# KiCad board squishy-main.kicad_pcb
title: Squishy -  Main Board; date: 2023-06-01; rev: 2; company: Shrine Maiden Heavy Industries; note: License: CERN-OHL-S; note: © 2023 Aki 'lethalbit' Van Ness, et. al.; note: No warranty expressed or implied; note: Squishy - SCSI Multitool
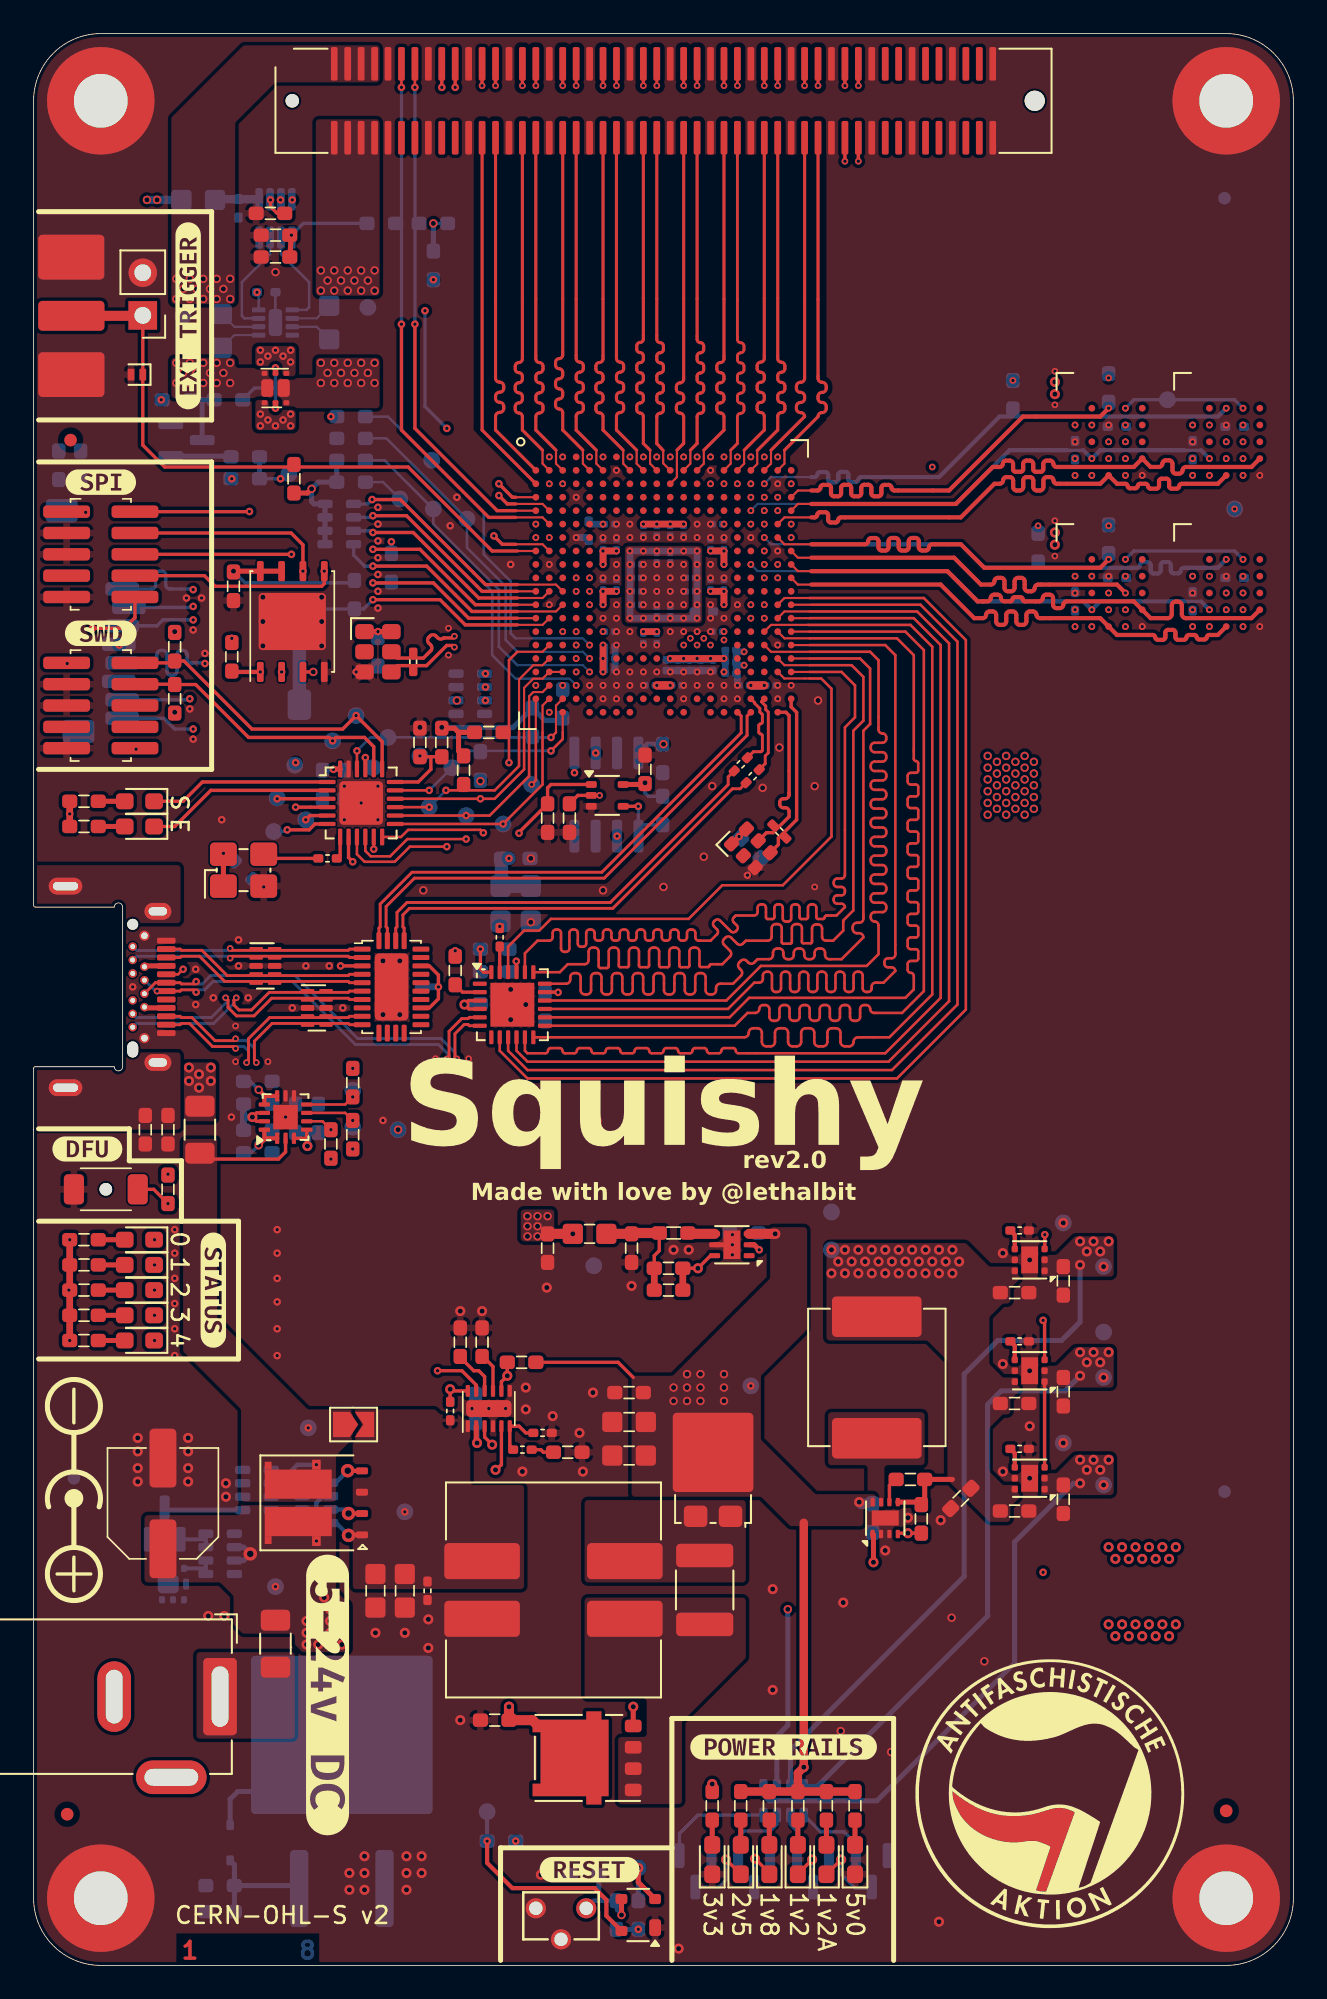
[diagram p0: board, top side]
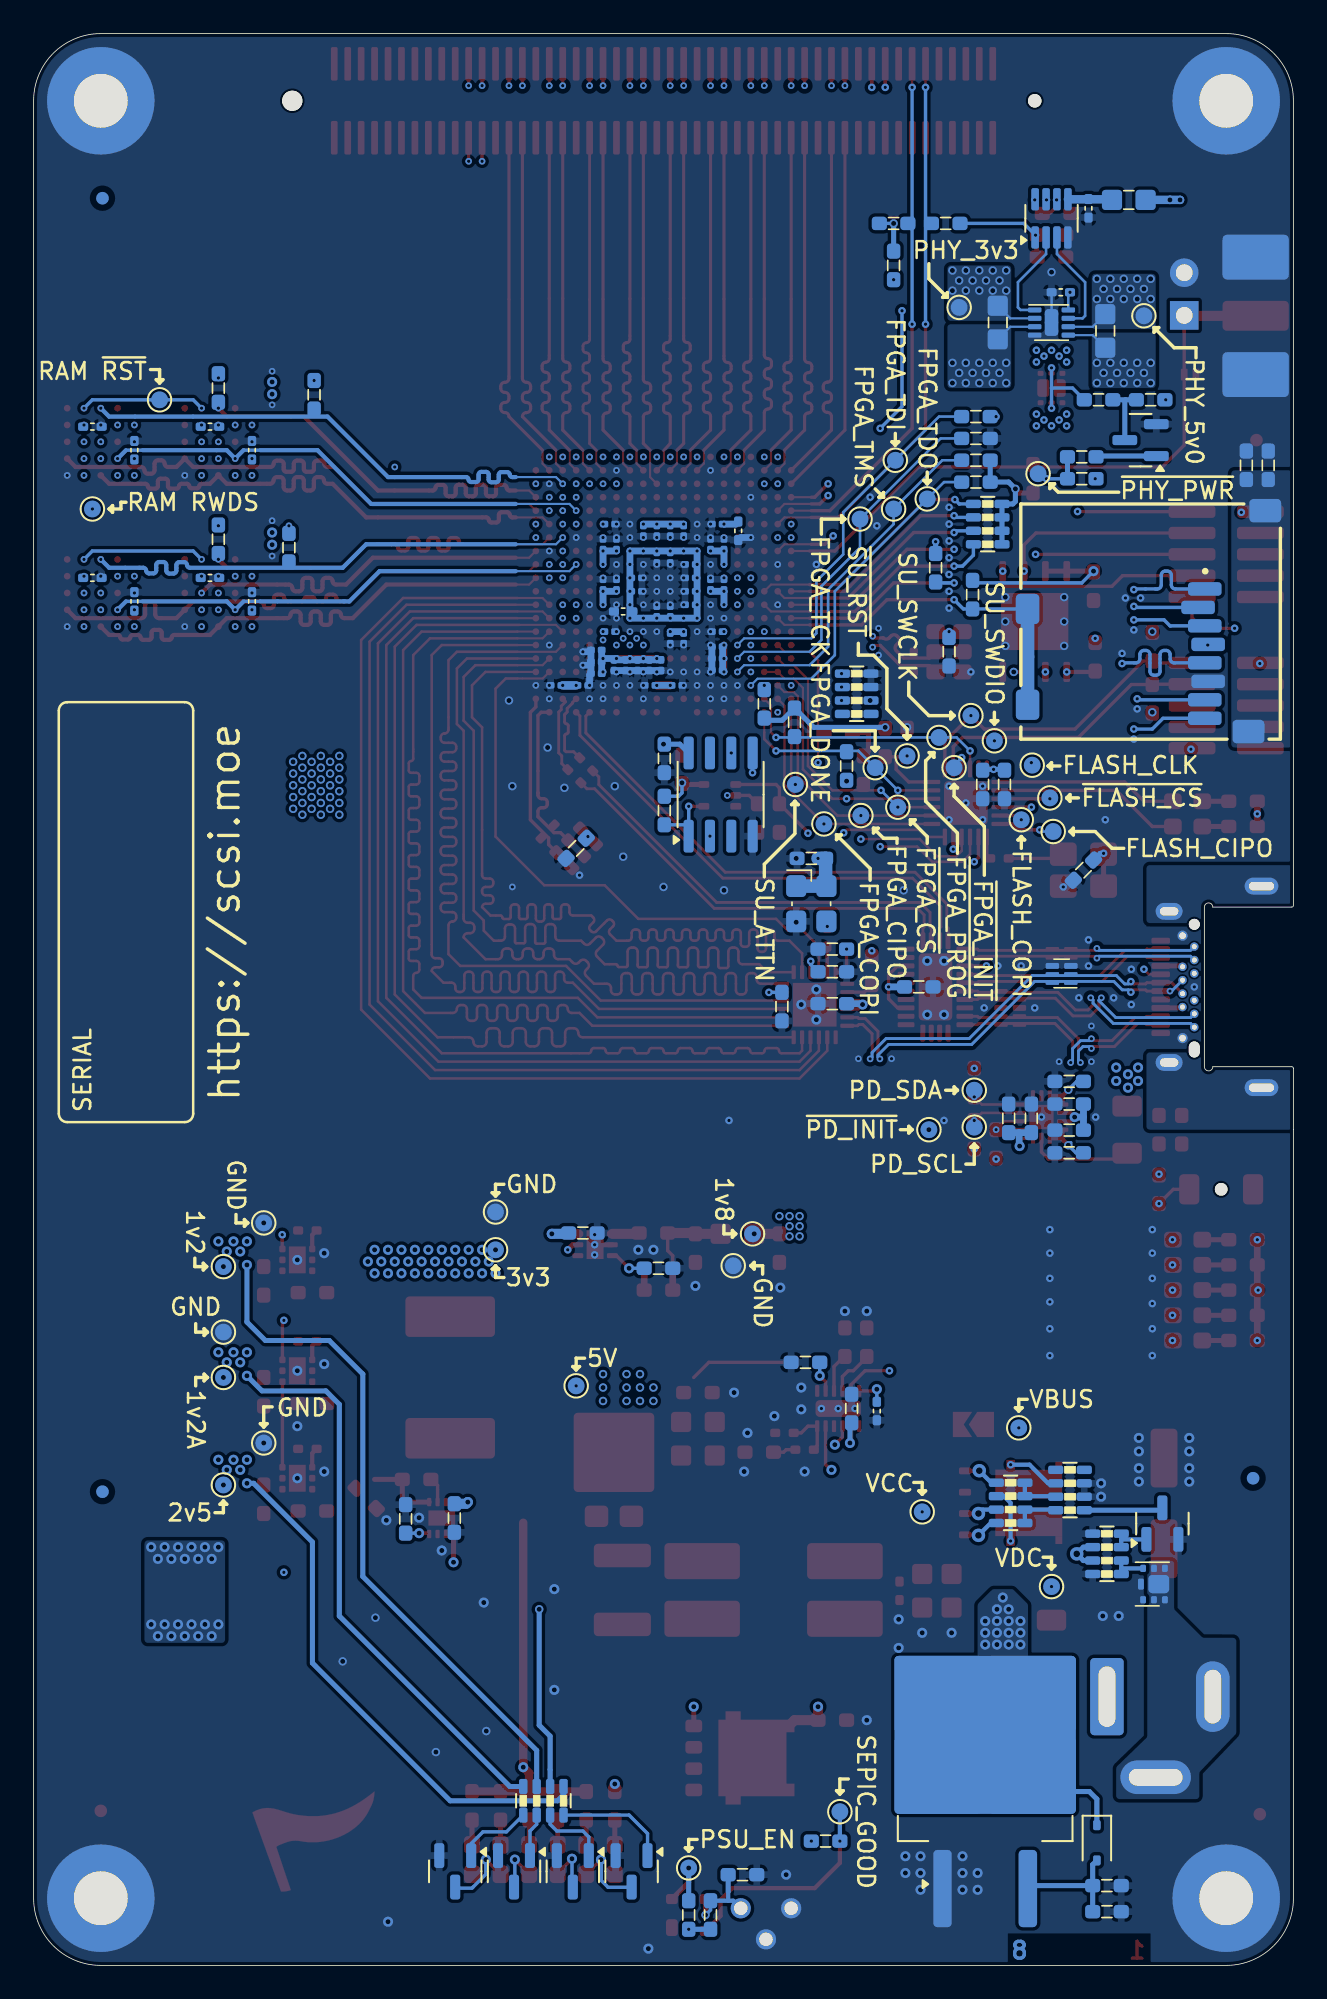
[diagram p1: board, bottom side, seen from below]

Outline 75 x 115 mm; copper layers: Top, In1.Cu (plane), In2.Cu, In3.Cu, In4.Cu (plane), In5.Cu, In6.Cu (plane), Bottom. Coordinates in mm from the lower left corner of the outline.
Outline path: 0.1,53.5 arc(0.03,53.47) 0,53.4 0,4 arc(1.17,1.17) 4,0 71,0 arc(73.83,1.17) 75,4 75,111 arc(73.83,113.83) 71,115 4,115 arc(1.17,113.83) 0,111 0,65.5 0,63.1 arc(0.03,63.03) 0.1,63
Stack: Top 0.035mm / dielectric 0.1164mm FR4 er 4.16 / In1.Cu 0.0152mm / dielectric 0.3mm FR4 er 4.6 / In2.Cu 0.0152mm / dielectric 0.0764mm FR4 er 3.91 / dielectric 0.0764mm FR4 er 3.91 / In3.Cu 0.0152mm / dielectric 0.3mm FR4 er 4.6 / In4.Cu 0.0152mm / dielectric 0.0764mm FR4 er 3.91 / dielectric 0.0764mm FR4 er 3.91 / In5.Cu 0.0152mm / dielectric 0.3mm FR4 er 4.6 / In6.Cu 0.0152mm / dielectric 0.1164mm FR4 er 4.16 / Bottom 0.035mm

## Placement (name value [footprint] x y rotation side)
C1  10n  [C0603]  20.5 78.2 270 bottom
C2  100n  [C0402]  64.5 91.6 180 bottom
C3  100n  [C0402]  71.5 91.6 180 bottom
C4  100n  [C0402]  62 90.2 90 bottom
C5  100n  [C0402]  69 90.2 90 bottom
C6  1u  [C0603]  32.8 5.4 180 bottom
C7  100n  [C0603]  37.45 71.85 270 bottom
C8  100n  [C0603]  6.65 49.75 90 top
C9  100n  [C0402]  42.1 71.5 45 top
C10  100n  [C0402]  42.81 70.79 45 top
C11  100n  [C0603]  22.3 58.25 180 bottom
C12  4u7  [C0603]  30.45 57.07 90 bottom
C13  100n  [C0603]  27.45 59.15 180 bottom
C14  100n  [C0603]  27.45 57.25 0 bottom
C15  10n  [C0603]  28.7 65.9 0 bottom
C16  10u  [C0603]  13.35 49.72 0 bottom
C17  1u  [C0603]  16.95 50.42 90 bottom
C18  10n  [C0603]  42.7 66.5 315 bottom
C19  100n  [C0603]  18.5 70.3 270 bottom
C20  1u  [C0603]  17.2 70.3 270 bottom
C21  1u  [C0603]  23 72.8 90 top
C22  10n  [C0603]  12.5 65.2 315 bottom
C23  100n  [C0603]  11.9 82.1 270 top
C24  2u2  [C0603]  26.3 33.15 90 bottom
C25  100n  [C0603]  26.7 37.1 270 top
C26  12n  [C0402]  29.1 30.7 180 top
C27  10u  [C0805]  22.1 22.3 90 top
C28  2u2  [C_1812_4532Metric]  39.95 22.35 90 top
C29  10u  [C0805]  35.45 30.35 0 top
C30  1u  [C0603]  35.45 34.1 0 top
C31  100n  [C0402]  23.45 22.3 90 top
C32  10u  [C0805]  35.45 32.35 0 top
C33  10u  [C0805]  20.35 22.3 90 top
C34  100n  [C0402]  64.5 82.6 180 bottom
C35  100n  [C0402]  71.5 82.6 180 bottom
C36  100n  [C0402]  62 81.2 90 bottom
C37  100n  [C0402]  69 81.2 90 bottom
C38  820p  [C0402]  30.3 31.7 180 top
C39  1u  [C0603]  58.4 40.05 0 top
C40  1u  [C0603]  58.4 33.45 0 top
C41  100n  [C0402]  58.7 37.15 0 top
C42  1u  [C0603]  61.3 34.15 270 top
C43  1u  [C0603]  58.4 27.05 0 top
C44  100n  [C0402]  58.7 30.75 0 top
C45  1u  [C0603]  61.3 27.75 270 top
C46  10u  [C0603]  49.95 26.63 270 bottom
C47  100n  [C0603]  36.4 71.2 90 top
C48  1u  [C0603]  30.6 42.7 270 top
C49  300p  [C0603]  13.35 48.37 0 bottom
C50  100n  [C_0201_0603Metric]  35.9 83.4 180 bottom
C51  10n  [C_0201_0603Metric]  35.9 82.6 180 bottom
C52  100n  [C_0201_0603Metric]  37.1 83.8 90 bottom
C53  100n  [C_0201_0603Metric]  39.1 82.6 0 bottom
C54  100n  [C_0201_0603Metric]  34.3 78.5 180 bottom
C55  10n  [C_0201_0603Metric]  34.3 77.1 180 bottom
C56  1n  [C_0201_0603Metric]  34.3 77.8 180 bottom
C57  100n  [C_0201_0603Metric]  41.5 78.3 180 bottom
C58  10n  [C_0201_0603Metric]  41.5 76.9 180 bottom
C59  1n  [C_0201_0603Metric]  41.5 77.6 180 bottom
C60  100n  [C_0201_0603Metric]  34.3 85.8 180 bottom
C61  10n  [C_0201_0603Metric]  40.7 79.4 0 bottom
C62  1n  [C_0201_0603Metric]  34.3 79.4 180 bottom
C63  1u  [C_0201_0603Metric]  40.7 85.8 0 bottom
C64  4u7  [C0402]  33.05 85.4 90 bottom
C65  100n  [C_0201_0603Metric]  37.9 80.6 270 bottom
C66  100n  [C_0201_0603Metric]  35.9 81.8 180 bottom
C67  10n  [C_0201_0603Metric]  37.1 80.6 270 bottom
C68  10n  [C_0201_0603Metric]  39.1 81.8 0 bottom
C69  10n  [C_0201_0603Metric]  37.9 83.8 90 bottom
C70  10n  [C_0201_0603Metric]  35.9 81 180 bottom
C71  4u7  [C0402]  39.9 80.6 180 bottom
C72  100n  [C_0201_0603Metric]  33.9 82.2 270 bottom
C73  100n  [C_0201_0603Metric]  33.9 84.6 270 bottom
C74  100n  [C_0201_0603Metric]  41.1 82.2 270 bottom
C75  1u  [C_0201_0603Metric]  38.7 85.4 90 bottom
C76  1u  [C_0201_0603Metric]  37.1 85.4 90 bottom
C77  1u  [C_0201_0603Metric]  40.3 82.2 270 bottom
C78  1u  [C_0201_0603Metric]  40.3 84.6 270 bottom
C79  100n  [C_0201_0603Metric]  41.1 84.6 270 bottom
C80  1u  [C0603]  1.5 89.3 270 bottom
C81  100n  [C_0201_0603Metric]  40.45 77.4 90 bottom
C82  10n  [C_0201_0603Metric]  39.75 77.4 90 bottom
C83  100n  [C_0201_0603Metric]  37.65 77.4 90 bottom
C84  10n  [C_0201_0603Metric]  38.35 77.4 90 bottom
C85  1n  [C_0201_0603Metric]  39.05 77.4 90 bottom
C86  100n  [C0402]  58.7 43.75 0 top
C87  1u  [C0603]  61.3 40.75 270 top
C88  1u  [C0603]  42.3 43.6 180 bottom
C89  10u  [C0603]  35.6 42.7 270 top
C90  22p  [C0603]  37.8 40.2 0 top
C91  300p  [C0603]  13.35 52.62 0 bottom
C92  100n  [C0603]  15.6 50.43 270 bottom
C93  10u  [C0603]  13.35 51.27 0 bottom
C94  47u  [C_Elec_KEMET_EB]  7.7 27.5 90 top
C95  100n  [C0603]  11.1 3.2 180 bottom
C96  100n  [C0402]  13.85 99.6 180 bottom
C97  100n  [C0402]  12.2 104.6 270 bottom
C98  100n  [C0603]  14.4 103 180 top
C99  1u  [C0603]  14.4 101.7 180 top
C100  100n  [C_0201_0603Metric]  36.3 85.4 90 bottom
C101  22u  [C0603]  55.2 27.8 225 top
C102  100n  [C_0201_0603Metric]  37.9 85.4 90 bottom
C103  1u  [C_0201_0603Metric]  34.7 84.6 270 bottom
C104  1u  [C_0201_0603Metric]  34.7 82.2 270 bottom
C105  1u  [C_0201_0603Metric]  37.1 79 90 bottom
C106  100n  [C_0201_0603Metric]  36.3 79 90 bottom
C108  10n  [C_0201_0603Metric]  43.9 76.2 180 bottom
C109  1n  [C_0201_0603Metric]  42.3 76.2 0 bottom
C111  10n  [C_0201_0603Metric]  36.7 76.2 0 bottom
C112  1n  [C_0201_0603Metric]  38.3 76.2 180 bottom
D1  SS10P6-M3/86A  [TO-277A-2]  40.45 29.5 180 top
D2  BLUE  [LED_0603_1608Metric_Pad1.05x0.95mm_HandSolder]  6.3 37.2 180 top
D3  PINK  [LED_0603_1608Metric_Pad1.05x0.95mm_HandSolder]  6.3 38.7 180 top
D4  WHITE  [LED_0603_1608Metric_Pad1.05x0.95mm_HandSolder]  6.3 40.2 180 top
D5  PINK  [LED_0603_1608Metric_Pad1.05x0.95mm_HandSolder]  6.3 41.7 180 top
D6  BLUE  [LED_0603_1608Metric_Pad1.05x0.95mm_HandSolder]  6.3 43.2 180 top
D7  GREEN  [LED_0603_1608Metric_Pad1.05x0.95mm_HandSolder]  48.9 6.3 90 top
D8  GREEN  [LED_0603_1608Metric_Pad1.05x0.95mm_HandSolder]  40.4 6.3 90 top
D9  GREEN  [LED_0603_1608Metric_Pad1.05x0.95mm_HandSolder]  42.1 6.3 90 top
D10  GREEN  [LED_0603_1608Metric_Pad1.05x0.95mm_HandSolder]  45.5 6.3 90 top
D11  GREEN  [LED_0603_1608Metric_Pad1.05x0.95mm_HandSolder]  43.8 6.3 90 top
D12  GREEN  [LED_0603_1608Metric_Pad1.05x0.95mm_HandSolder]  47.2 6.3 90 top
D13  24.25V @ 120mA  [D_SOD-323]  11.7 7.3 270 bottom
D14  TN1205H  [TO-263-2]  18.35 12.22 90 bottom
D15  RED  [LED_0603_1608Metric_Pad1.05x0.95mm_HandSolder]  6.3 67.8 180 top
D16  GREEN  [LED_0603_1608Metric_Pad1.05x0.95mm_HandSolder]  6.3 69.3 180 top
D17  V_{BR} = 3v6  [D_SOD-882]  6.15 94.7 180 top
F1  7A  [Fuse_1206_3216Metric]  14.4 19.15 90 top
F2  7A  [Fuse_1206_3216Metric]  9.9 49.75 270 top
FB2  600 @ 100MHz  [R0805]  33.1 43.55 180 top
FB3  600 @ 100MHz  [R0805]  9.8 105.1 0 bottom
FID1  Fiducial  [Fiducial_0.75mm_Mask1.5mm]  70.9 105.2 180 bottom
FID2  Fiducial  [Fiducial_0.75mm_Mask1.5mm]  70.9 28.2 180 bottom
FID3  Fiducial  [Fiducial_0.75mm_Mask1.5mm]  2.4 29 180 bottom
FID4  Fiducial  [Fiducial_0.75mm_Mask1.5mm]  2.2 90.8 90 top
FID5  Fiducial  [Fiducial_0.75mm_Mask1.5mm]  71 9.2 0 top
FID6  Fiducial  [Fiducial_0.75mm_Mask1.5mm]  2 9 270 top
G1  Antifaschistische_Aktion  [Antifaschistische Aktion_600dpi]  60.5 10.2 0 top
G8  DC Polarity  [DC-Center-Positive]  2.4 27.8 270 top
H1  MountingHole  [MountingHole_3.2mm_M3_Pad]  71 111 270 top
H2  MountingHole  [MountingHole_3.2mm_M3_Pad]  4 111 270 top
H3  MountingHole  [MountingHole_3.2mm_M3_Pad]  4 4 270 top
H4  MountingHole  [MountingHole_3.2mm_M3_Pad]  71 4 270 top
J1  Conn_01x02  [PinHeader_1x02_P2.54mm_Vertical]  6.5 98.22 180 top  (not fitted)
J2  TRIGGER  [Molex_SMA_732512120]  -0.03 98.2 90 top  (not fitted)
J3  USB_C_Receptacle  [USB-3.1-Type-C_In-PCB]  5.5 58.25 270 top
J4  SU SWD  [FTSH-105-01-L-DV-K-TR]  4 75 270 top  (not fitted)
J5  Jack-DC  [BarrelJack_GCT_DCJ200-10-A_Horizontal]  11.1 16 270 top
J6  MEM2061-01-188-00-A  [GCT_MEM2061-01-188-00-A_REVA]  8.5 80 90 bottom
J7  SCSI PHY Mezz  [101445x-10x80xLF]  37.5 111 0 top
J8  FLASH  [FTSH-105-01-L-DV-K-TR]  4 84 270 top  (not fitted)
JP1  PD_ONLY  [SolderJumper-2_P1.3mm_Open_TrianglePad1.0x1.5mm]  19.05 32.2 0 top
kibuzzard-6665A0A5  G***  [kibuzzard-6665A0A5]  33.1 5.7 0 top
kibuzzard-66659E31  G***  [kibuzzard-66659E31]  4 88.3 0 top
kibuzzard-66659E43  G***  [kibuzzard-66659E43]  4 79.3 0 top
kibuzzard-66659EBD  G***  [kibuzzard-66659EBD]  9.2 98.2 90 top
kibuzzard-66659F58  G***  [kibuzzard-66659F58]  3.2 48.6 0 top
kibuzzard-66675DA0  G***  [kibuzzard-66675DA0]  10.7 40.2 270 top
kibuzzard-66682E3D  G***  [kibuzzard-66682E3D]  44.65 13 0 top
kibuzzard-666832E8  G***  [kibuzzard-666832E8]  17.5 16.1 270 top
L1  1u5  [Bourns-SRF1260]  30.95 22.35 270 top
L2  2u2  [L0603]  38.1 43.6 180 top
L3  1u  [L_Vishay_IHLP-3232]  50.2 35 90 top
Q1  NTMFS5C442NT1G  [ONSemi_SO-8FL_488AA]  32.95 12.35 180 top
Q2  NX6008NBKR  [SOT-23]  42.9 5.6 270 bottom
Q3  NX6008NBKR  [SOT-23]  39.4 5.6 270 bottom
Q4  NX6008NBKR  [SOT-23]  46.4 5.6 270 bottom
Q5  NX6008NBKR  [SOT-23]  49.9 5.6 270 bottom
Q6  PMPB20EN  [SOT1220-3]  8.3 22.7 270 bottom
Q7  PMDPB58UPE,115  [SOT1118-3]  14.4 93.9 180 top
Q8  DMN65D8L-7  [SOT-23]  7.8 26.3 90 bottom
Q9  DMN65D8L-7  [SOT-23]  9.1 90.8 0 bottom
Q10  PFET  [PowerPAK_SO-8L_Dual]  16.84 27.53 180 top
R1  1k  [R0603]  26.6 71.4 90 bottom
R2  80k6  [R0402]  24.8 33 90 top
R3  40k2  [R0402]  24.8 33 90 bottom
R4  10k  [R0603]  25.4 37.1 270 top
R5  4k7  [R0603]  25.6 71.15 270 top
R6  4k7  [R0603]  18.9 90.9 0 bottom
R7  2k2  [R0603]  3 67.8 0 top
R8  1M  [R0603]  8 49.75 90 top
R9  10k  [R0603]  25.1 59.22 270 top
R10  8k06  [R0603]  27.45 60.5 180 bottom
R11  100  [R0402]  44.4 67.5 135 top
R12  10k  [R0603]  24.3 72.8 270 top
R13  100  [R0402]  22.6 77.6 90 top
R14  10K  [R0603_Array_Concave_4]  26 75.7 0 bottom
R15  5k36  [R0603]  31.8 30.55 180 top
R16  10m  [R0603]  27.45 14.6 0 top
R17  10k  [R0603]  29.05 35.9 180 bottom
R18  40k  [R0603]  29.05 35.9 0 top
R19  100k  [R0603]  8.4 75.4 90 top
R20  100k  [R0603]  8.4 78.5 270 top
R21  1k  [R0603]  3 69.3 0 top
R22  4k7  [R0603]  19 52.55 270 top
R23  1k  [R0603]  3 37.2 0 top
R24  2k2  [R0603]  3 38.7 0 top
R25  2k2  [R0603]  3 40.2 0 top
R26  2k2  [R0603]  3 41.7 0 top
R27  1k  [R0603]  3 43.2 0 top
R28  10k  [R0603]  19.1 81.6 270 bottom
R29  0  [R0402]  17.5 65.9 0 top
R30  0  [R0402]  27.75 61.2 270 top
R31  2k2  [R0603]  48.9 9.5 270 top
R32  10k  [R0603]  34.7 3 90 bottom
R33  300k  [R0603]  37.8 41.5 0 top
R34  2k2  [R0603]  42.1 9.5 270 top
R35  10K  [R0603_Array_Concave_4]  44.65 9.8 90 bottom
R36  10k  [R0603]  64 93.9 270 bottom
R37  4k7  [R0603]  37.45 68.75 270 bottom
R38  4k7  [R0603]  31.9 68.3 270 top
R39  4k7  [R0603]  30.6 68.3 270 top
R40  10k  [R0603]  36 3 90 bottom
R41  1M  [R0603]  2.8 89.3 270 bottom
R42  1k  [R0603]  40.4 9.5 270 top
R43  150k  [R0603]  37.8 41.5 180 bottom
R44  4k7  [R0603]  19 49.45 90 top
R45  4k7  [R0603]  17.7 48.9 90 top
R46  10K  [R0603_Array_Concave_4]  13.3 28.3 0 bottom
R47  52R3  [R0603]  11.1 4.75 180 bottom
R48  10K  [R0603_Array_Concave_4]  16.84 27.53 0 bottom
R49  4k7  [R0603]  23.8 103.7 180 bottom
R50  10K  [R0603_Array_Concave_4]  11.1 24.5 0 bottom
R51  10k  [R0603]  11.6 93.2 0 bottom
R52  50m  [R0805]  17.6 97.8 270 bottom
R53  50m  [R0805]  11.2 97.3 270 bottom
R54  10k  [R0603]  8 46.2 270 top
R55  249k  [R0603]  52.85 26.58 90 top
R56  39k2  [R0603]  52.85 26.58 90 bottom
R57  178k  [R0603]  52.2 28.93 180 top
R58  4k7  [R0603]  20.7 103.7 0 bottom
R59  10k  [R0603]  14.1 104.3 180 top
R60  10k  [R0603]  15.5 88.5 90 top
R61  10k  [R0603]  8.5 93.2 0 bottom
R62  10k  [R0603]  12.6 88.5 0 bottom
R63  10k  [R0603]  12.6 89.8 0 bottom
R64  10k  [R0603]  23.8 101.2 90 bottom
R65  10k  [R0603]  27.85 7.4 0 bottom
R66  10K  [R0603_Array_Concave_4]  18.2 85.8 180 bottom
R67  10k  [R0603]  64 84.9 270 bottom
R68  10k  [R0603]  58.3 93.5 270 bottom
R69  10k  [R0603]  59.8 84.4 270 bottom
R70  10k  [R0603]  21.3 83.2 270 bottom
R71  4k7  [R0603]  11.8 77.9 270 top
R72  4k7  [R0603]  29.7 74 270 bottom
R73  4k7  [R0603]  31.5 75.1 90 bottom
R74  4k7  [R0603]  27.1 73.4 0 top
R75  4k7  [R0603]  18.9 89.6 0 bottom
R76  4k7  [R0603]  18.9 92.2 0 bottom
R77  4k7  [R0603]  18.9 88.3 0 bottom
R78  2k2  [R0603]  43.8 9.5 270 top
R79  2k2  [R0603]  45.5 9.5 270 top
R80  2k2  [R0603]  47.2 9.5 270 top
REF**  -  [Tab]  -0.3 79.4 0 top
REF**#2  -  [Tab]  75.3 101.2 180 top
REF**#3  -  [Tab]  75.3 63.2 180 top
REF**#4  -  [Tab]  75.2 18.2 180 top
REF**#5  -  [Tab]  10.9 -0.3 90 top
REF**#6  -  [Tab]  10.9 115.3 270 top
REF**#7  -  [Tab]  64.1 115.3 270 top
REF**#8  -  [Tab]  37.5 -0.25 90 top
REF**#9  -  [Tab]  64.1 -0.3 90 top
REF**#10  -  [Tab]  -0.3 27.8 0 top
SW1  RST  [SW_Tactile_SPST_Angled_TC-1109DE]  31.4 3.4 180 top
SW2  DFU  [B3U-1000P-B]  4.3 46.2 0 top
TP1  5V  [TestPoint_Pad_D1.0mm]  42.7 34.5 90 bottom
TP2  1v2A  [TestPoint_Pad_D1.0mm]  63.7 35 270 bottom
TP3  GND  [TestPoint_Pad_D1.0mm]  63.7 37.7 270 bottom
TP4  2v5  [TestPoint_Pad_D1.0mm]  63.7 28.6 270 bottom
TP5  GND  [TestPoint_Pad_D1.0mm]  61.3 31.1 270 bottom
TP6  3v3  [TestPoint_Pad_D1.0mm]  47.5 42.6 90 bottom
TP7  GND  [TestPoint_Pad_D1.0mm]  47.5 44.85 270 bottom
TP8  VDC  [TestPoint_Pad_D1.0mm]  14.4 22.55 90 bottom
TP9  GND  [TestPoint_Pad_D1.0mm]  33.35 41.65 180 bottom
TP10  VCC  [TestPoint_Pad_D1.0mm]  22.1 27 90 bottom
TP11  1v2  [TestPoint_Pad_D1.0mm]  63.7 41.6 270 bottom
TP12  GND  [TestPoint_Pad_D1.0mm]  61.3 44.2 270 bottom
TP13  1v8  [TestPoint_Pad_D1.0mm]  32.2 43.55 0 bottom
TP14  VBUS  [TestPoint_Pad_D1.0mm]  16.35 32 0 bottom
TP15  FPGA_TDO  [TestPoint_Pad_D1.0mm]  21.8 87.3 180 bottom
TP16  FPGA_TCK  [TestPoint_Pad_D1.0mm]  25.8 86.1 180 bottom
TP17  FPGA_TDI  [TestPoint_Pad_D1.0mm]  23.7 89.6 180 bottom
TP18  FPGA_TMS  [TestPoint_Pad_D1.0mm]  23.8 86.7 180 bottom
TP19  FPGA_DONE  [TestPoint_Pad_D1.0mm]  24.9 71.3 180 bottom
TP20  SU_ATTN  [TestPoint_Pad_D1.0mm]  29.65 70.3 180 bottom
TP21  FPGA_COPI  [TestPoint_Pad_D1.0mm]  27.95 67.95 180 bottom
TP22  FPGA_CIPO  [TestPoint_Pad_D1.0mm]  25.75 68.45 180 bottom
TP23  ~{FPGA_INIT}  [TestPoint_Pad_D1.0mm]  20.2 71.3 180 bottom
TP24  ~{FPGA_PROG}  [TestPoint_Pad_D1.0mm]  21.1 73.1 180 bottom
TP26  ~{FPGA_CS}  [TestPoint_Pad_D1.0mm]  23.55 68.95 180 bottom
TP27  FLASH_CIPO  [TestPoint_Pad_D1.0mm]  14.3 67.5 180 bottom
TP28  FLASH_COPI  [TestPoint_Pad_D1.0mm]  16.2 68.2 180 bottom
TP29  FLASH_CLK  [TestPoint_Pad_D1.0mm]  15.55 71.45 180 bottom
TP30  ~{FLASH_CS}  [TestPoint_Pad_D1.0mm]  14.5 69.5 180 bottom
TP31  SU_SWDIO  [TestPoint_Pad_D1.0mm]  17.8 72.9 180 bottom
TP32  SU_SWCLK  [TestPoint_Pad_D1.0mm]  19.2 74.4 180 bottom
TP33  ~{PD_INIT}  [TestPoint_Pad_D1.0mm]  21.7 49.75 270 bottom
TP34  PD_SDA  [TestPoint_Pad_D1.0mm]  19 52.1 180 bottom
TP35  PD_SCL  [TestPoint_Pad_D1.0mm]  19 49.9 180 bottom
TP40  RAM ~{RST}  [TestPoint_Pad_D1.0mm]  67.5 93.2 180 bottom
TP41  RAM RWDS  [TestPoint_Pad_D1.0mm]  71.5 86.7 180 bottom
TP42  PSU_EN  [TestPoint_Pad_D1.0mm]  36 5.8 0 bottom
TP43  ~{PHY_PWR}  [TestPoint_Pad_D1.0mm]  15.2 88.8 180 bottom
TP44  PHY_5v0  [TestPoint_Pad_D1.0mm]  8.9 98.2 180 bottom
TP45  PHY_3v3  [TestPoint_Pad_D1.0mm]  19.9 98.7 180 bottom
TP46  ~{SU_RST}  [TestPoint_Pad_D1.0mm]  23 72 180 bottom
TP47  SEPIC_GOOD  [TestPoint_Pad_D1.0mm]  27 9.15 90 bottom
U1  LFE5UM5G-45F-8BG381C  [318caBGA]  37.5 82.2 0 top
U2  HyperRAM  [TFBGA-24-6x8mm-1.0mm]  64 90.7 0 top
U3  HyperRAM  [TFBGA-24-6x8mm-1.0mm]  71 90.7 0 top
U4  APX811-40UG-7  [SOT-143]  36 3 180 top
U5  HD3SS460RHRR  [WQFN-28-1EP_3.5x5.5_P0.5mm_EP2x4mm]  21.31 58.25 0 top
U6  TPD4E02B04DQA  [USON-10_2.5x1.0mm_P0.5mm]  13.8 59.5 0 top
U7  SP3400-02UTG  [UDFN-6L]  13.8 59.05 0 bottom
U8  TPD4E02B04DQA  [USON-10_2.5x1.0mm_P0.5mm]  16.86 57 0 top
U9  USB3318  [QFN-24-1EP_4x4mm_P0.5mm_EP2.6x2.6mm#2]  28.5 57.19 0 top
U10  FUSB302BMPX  [WQFN-14-1EP_2.5x2.5mm_P0.5mm_EP1.45x1.45mm]  15 50.5 90 top
U11  ATSAMD09D14A-M  [QFN-24-1EP_4x4mm_P0.5mm_EP2.6x2.6mm]  19.5 69.2 0 top
U12  GD25Q64EWIGR  [UDFN-8-1EP_6x5mm_P1.27mm_EP3.4x4mm]  15.4 80 90 top
U13  LM51551DSSR  [WSON-12-1EP_2x3mm_P0.5mm_EP1x2.65mm]  27.1 33.15 90 top
U14  HyperRAM  [TFBGA-24-6x8mm-1.0mm]  64 81.7 0 top
U15  HyperRAM  [TFBGA-24-6x8mm-1.0mm]  71 81.7 0 top
U16  TPS7A1112PDRVT  [WSON-6-1EP_2x2mm_P0.65mm_EP1x1.6mm]  59.3 35.4 180 top
U17  TPS7A1125PDRVT  [WSON-6-1EP_2x2mm_P0.65mm_EP1x1.6mm]  59.3 29 180 top
U18  IS66WVS4M8BLL  [SOIC-8_3.9x4.9mm_P1.27mm]  34.1 69.7 90 bottom
U19  INA2180A1  [WSON_8_2x2mm_1EP]  14.4 97.8 180 bottom
U20  TPS7A1112PDRVT  [WSON-6-1EP_2x2mm_P0.65mm_EP1x1.6mm]  59.3 42 180 top
U21  AP3428/A  [DFN-6-1EP_2x2mm_P0.65mm_EP1.01x1.7mm]  41.57 42.9 180 top
U22  MAX1118  [SOT-23-8]  14.4 104 90 bottom
U23  TLV62084ADSGR  [WSON-8-1EP_2x2mm_P0.5mm_EP0.9x1.6mm]  50.7 26.63 90 top
U24  74AHC1G02  [SOT-353_SC-70-5]  34.15 69.65 0 top
X1  100MHz  [AK3A-xxxMHz]  20.5 78.2 270 top
X2  13MHz  [SMD2520]  28.7 63.2 270 bottom
X3  200MHz  [AK2A-xxxMHz]  42.7 66.5 315 top
X4  32MHz  [SMD3225]  12.5 65.2 0 top

## Library data of the parts
C1 C15 C18 C22 = -: Datasheet: https://connect.kemet.com:7667/gateway/IntelliData-ComponentDocumentation/1.0/download/datasheet/C0402C103K3RACTU; MFR: KEMET; MPN: C0402C103K3RACTU; Tolerance: ±10% 25V; SUPPLIER: DigiKey; SUPPLIER_OC: 399-C0402C103K3RAC7867DKR-ND; SUPPLIER_URL: https://www.digikey.com/short/n9t0571b; 1b2-key: cap-cer-0603-10n-25v; ki_fp_filters: C_*
C2-C5 C9 C10 C31 C34-C37 C41 C44 C86 C96 C97 = -: Datasheet: https://search.murata.co.jp/Ceramy/image/img/A01X/G101/ENG/GRM155R71H104KE14-01.pdf; MFR: Murata Electronics; MPN: GRM155R71H104KE14D; Tolerance: ±10% 50V; SUPPLIER: DigiKey; SUPPLIER_OC: 490-10700-6-ND; SUPPLIER_URL: https://www.digikey.com/short/2889p8h4; 1b2-key: cap-cer-0402-100n-50v; ki_fp_filters: C_*
C6 C17 C20 C21 C30 C39 C40 C42 C43 C45 C48 C80 C87 C88 C99 = -: Datasheet: https://www.yuden.co.jp/productdata/catalog/mlcc06_e.pdf; MFR: Taiyo Yuden; MPN: UMK107BJ105KA-T; Tolerance: ±10% 50V; SUPPLIER: DigiKey; SUPPLIER_OC: 587-2400-6-ND; SUPPLIER_URL: https://www.digikey.com/short/83w49wnp; 1b2-key: cap-cer-0603-1u-50v; ki_fp_filters: C_*
C7 C8 C11 C13 C14 C19 C23 C25 C47 C92 C95 C98 = -: Datasheet: https://content.kemet.com/datasheets/KEM_C1006_X5R_SMD.pdf; MFR: KEMET; MPN: C0603C104M5RACTU; Tolerance: ±20% 50V; SUPPLIER: DigiKey; SUPPLIER_OC: 399-C0603C104M5RAC7867DKR-ND; SUPPLIER_URL: https://www.digikey.com/short/8nqzrr4b; 1b2-key: cap-cer-0603-100n-10v; ki_fp_filters: C_*
C12 = -: Datasheet: https://connect.kemet.com:7667/gateway/IntelliData-ComponentDocumentation/1.0/download/specsheet/C0603C475K8PACTU; MFR: KEMET; MPN: C0603C475K8PACTU; Tolerance: ±10% 10V; SUPPLIER: DigiKey; SUPPLIER_OC: 399-C0603C475K8PAC7867DKR-ND; SUPPLIER_URL: https://www.digikey.com/short/pbmnmwwq; 1b2-key: cap-cer-0603-4u7-10v; ki_fp_filters: C_*
C16 C46 C89 C93 = -: Datasheet: https://search.murata.co.jp/Ceramy/image/img/A01X/G101/ENG/GRM188R61E106KA73-01.pdf; MFR: Murata Electronics; MPN: GRM188R61E106KA73D; Tolerance: ±20% 25V; SUPPLIER: DigiKey; SUPPLIER_OC: 490-18214-6-ND; SUPPLIER_URL: https://www.digikey.com/short/82qptfvd; 1b2-key: cap-cer-0603-10u-25v; ki_fp_filters: C_*
C24 = -: Datasheet: https://search.murata.co.jp/Ceramy/image/img/A01X/G101/ENG/GRM188R61E225KA12-01.pdf; MFR: Murata Electronics; MPN: GRM188R61E225KA12J; Tolerance: ±10% 25V; SUPPLIER: DigiKey; SUPPLIER_OC: 490-GRM188R61E225KA12JDKR-ND; SUPPLIER_URL: https://www.digikey.com/short/wbpjqfr3; 1b2-key: cap-cer-0603-2u2-25v; ki_fp_filters: C_*
C26 = -: Datasheet: https://search.murata.co.jp/Ceramy/image/img/A01X/G101/ENG/GCM155R71H123KA55-01A.pdf; MFR: Murata Electronics; MPN: GCM155R71H123KA55D; Tolerance: ±10% 50V; SUPPLIER: DigiKey; SUPPLIER_OC: 490-GCM155R71H123KA55DDKR-ND; SUPPLIER_URL: https://www.digikey.com/short/qj5rrrnv; 1b2-key: cap-cer-0402-12n-50v; ki_fp_filters: C_*
C27 C29 C32 C33 = -: Datasheet: https://search.murata.co.jp/Ceramy/image/img/A01X/G101/ENG/GRM21BR61H106ME43-01A.pdf; MFR: Murata Electronics; MPN: GRM21BR61H106ME43L; Tolerance: ±10% 50V; SUPPLIER: DigiKey; SUPPLIER_OC: 490-18664-6-ND; SUPPLIER_URL: https://www.digikey.com/short/zf2qwpn0; 1b2-key: cap-cer-0805-10u-50v; ki_fp_filters: C_*
C28 = -: Datasheet: https://connect.kemet.com:7667/gateway/IntelliData-ComponentDocumentation/1.0/download/datasheet/C1812C225K1RACTU; MFR: KEMET; MPN: C1812C225K1RAC7800; Tolerance: ±10% 100V; SUPPLIER: DigiKey; SUPPLIER_OC: 399-C1812C225K1RAC7800DKR-ND; SUPPLIER_URL: https://www.digikey.com/short/0jmv72mj; 1b2-key: cap-cer-1812-2u2-100v; ki_fp_filters: C_*